# KiCad board oibus-mini-CCC_PANEL.kicad_pcb (continued)
## Routing (per net, layer and track width the routed paths; a pad name or vN(x,y) marks a point on that pad's centre or on a via; arc(x,y) is an arc through that point) (continued)
/~{SPI_ADS_CS}: length 977.8
  Top w0.2: v2(62.07,23.83) 62.07,23.73 61.1,22.76 61.1,17.11 59.66,15.67 H2#2.10 ; U8#2.25 60.95,39.26 62.02,38.19 v2(62.02,35.3) ; v2(99.07,23.83) 99.07,23.73 98.1,22.76 98.1,17.11 96.66,15.67 H2#3.10 ; U8#4.25 97.95,39.26 99.02,38.19 v2(99.02,35.3) ; v2(136.07,23.83) 136.07,23.73 135.1,22.76 135.1,17.11 133.66,15.67 H2#4.10 ; U8#3.25 134.95,39.26 136.02,38.19 v2(136.02,35.3) ; v2(173.07,23.83) 173.07,23.73 172.1,22.76 172.1,17.11 170.66,15.67 H2#6.10 ; U8#6.25 171.95,39.26 173.02,38.19 v2(173.02,35.3) ; v2(210.07,23.83) 210.07,23.73 209.1,22.76 209.1,17.11 207.66,15.67 H2#5.10 ; U8#5.25 208.95,39.26 210.02,38.19 v2(210.02,35.3) ; v2(247.07,23.83) 247.07,23.73 246.1,22.76 246.1,17.11 244.66,15.67 H2#7.10 ; U8#7.25 245.95,39.26 247.02,38.19 v2(247.02,35.3) ; v2(284.07,23.83) 284.07,23.73 283.1,22.76 283.1,17.11 281.66,15.67 H2#8.10 ; U8#8.25 282.95,39.26 284.02,38.19 v2(284.02,35.3) ; v2(25.07,89.83) 25.07,89.73 24.1,88.76 24.1,83.11 22.66,81.67 H2#9.10 ; U8#11.25 23.95,105.26 25.02,104.19 v2(25.02,101.3) ; v2(99.07,89.83) 99.07,89.73 98.1,88.76 98.1,83.11 96.66,81.67 H2#13.10 ; U8#13.25 97.95,105.26 99.02,104.19 v2(99.02,101.3) ; v2(62.07,89.83) 62.07,89.73 61.1,88.76 61.1,83.11 59.66,81.67 H2#12.10 ; U8#9.25 60.95,105.26 62.02,104.19 v2(62.02,101.3) ; v2(136.07,89.83) 136.07,89.73 135.1,88.76 135.1,83.11 133.66,81.67 H2#11.10 ; U8#10.25 134.95,105.26 136.02,104.19 v2(136.02,101.3) ; v2(173.07,89.83) 173.07,89.73 172.1,88.76 172.1,83.11 170.66,81.67 H2#10.10 ; U8#12.25 171.95,105.26 173.02,104.19 v2(173.02,101.3) ; v2(210.07,89.83) 210.07,89.73 209.1,88.76 209.1,83.11 207.66,81.67 H2#14.10 ; U8#14.25 208.95,105.26 210.02,104.19 v2(210.02,101.3) ; U8#16.25 282.95,105.26 284.02,104.19 v2(284.02,101.3) ; v2(284.07,89.83) 284.07,89.73 283.1,88.76 283.1,83.11 281.66,81.67 H2#16.10 ; v2(247.07,89.83) 247.07,89.73 246.1,88.76 246.1,83.11 244.66,81.67 H2#15.10 ; U8#15.25 245.95,105.26 247.02,104.19 v2(247.02,101.3) ; v2(25.07,221.83) 25.07,221.73 24.1,220.76 24.1,215.11 22.66,213.67 H2#23.10 ; U8#25.25 23.95,237.26 25.02,236.19 v2(25.02,233.3) ; v2(99.07,221.83) 99.07,221.73 98.1,220.76 98.1,215.11 96.66,213.67 H2#29.10 ; U8#29.25 97.95,237.26 99.02,236.19 v2(99.02,233.3) ; v2(62.07,221.83) 62.07,221.73 61.1,220.76 61.1,215.11 59.66,213.67 H2#28.10 ; U8#21.25 60.95,237.26 62.02,236.19 v2(62.02,233.3) ; v2(136.02,233.3) 136.02,236.19 134.95,237.26 U8#24.25 ; v2(136.07,221.83) 136.07,221.73 135.1,220.76 135.1,215.11 133.66,213.67 H2#27.10 ; v2(25.07,155.83) 25.07,155.73 24.1,154.76 24.1,149.11 22.66,147.67 H2#17.10 ; U8#19.25 23.95,171.26 25.02,170.19 v2(25.02,167.3) ; v2(99.07,155.83) 99.07,155.73 98.1,154.76 98.1,149.11 96.66,147.67 H2#21.10 ; U8#22.25 97.95,171.26 99.02,170.19 v2(99.02,167.3) ; v2(62.07,155.83) 62.07,155.73 61.1,154.76 61.1,149.11 59.66,147.67 H2#20.10 ; U8#17.25 60.95,171.26 62.02,170.19 v2(62.02,167.3) ; v2(136.07,155.83) 136.07,155.73 135.1,154.76 135.1,149.11 133.66,147.67 H2#19.10 ; U8#18.25 134.95,171.26 136.02,170.19 v2(136.02,167.3) ; v2(173.07,155.83) 173.07,155.73 172.1,154.76 172.1,149.11 170.66,147.67 H2#18.10 ; U8#20.25 171.95,171.26 173.02,170.19 v2(173.02,167.3) ; v2(210.07,155.83) 210.07,155.73 209.1,154.76 209.1,149.11 207.66,147.67 H2#22.10 ; U8#23.25 208.95,171.26 210.02,170.19 v2(210.02,167.3) ; U8#27.25 282.95,171.26 284.02,170.19 v2(284.02,167.3) ; v2(284.07,155.83) 284.07,155.73 283.1,154.76 283.1,149.11 281.66,147.67 H2#25.10 ; v2(247.07,155.83) 247.07,155.73 246.1,154.76 246.1,149.11 244.66,147.67 H2#24.10 ; U8#26.25 245.95,171.26 247.02,170.19 v2(247.02,167.3) ; v2(173.07,221.83) 173.07,221.73 172.1,220.76 172.1,215.11 170.66,213.67 H2#26.10 ; U8#28.25 171.95,237.26 173.02,236.19 v2(173.02,233.3) ; v2(210.07,221.83) 210.07,221.73 209.1,220.76 209.1,215.11 207.66,213.67 H2#30.10 ; U8#30.25 208.95,237.26 210.02,236.19 v2(210.02,233.3) ; v2(247.02,233.3) 247.02,236.19 245.95,237.26 U8#31.25 ; v2(247.07,221.83) 247.07,221.73 246.1,220.76 246.1,215.11 244.66,213.67 H2#31.10 ; v2(284.07,221.83) 284.07,221.73 283.1,220.76 283.1,215.11 281.66,213.67 H2#32.10 ; U8#32.25 282.95,237.26 284.02,236.19 v2(284.02,233.3) ; v2(25.02,35.3) 25.02,38.19 23.95,39.26 U8.25 ; v2(25.07,23.83) 25.07,23.73 24.1,22.76 24.1,17.11 22.66,15.67 H2.10
  Bottom w0.2: v2(62.07,23.83) 62.07,24.54 61,25.61 61,32.44 61.99,33.43 61.99,35.26 v2(62.02,35.3) 62.07,35.25 ; v2(99.07,23.83) 99.07,24.54 98,25.61 98,32.44 98.99,33.43 98.99,35.26 v2(99.02,35.3) 99.07,35.25 ; v2(136.07,23.83) 136.07,24.54 135,25.61 135,32.44 135.99,33.43 135.99,35.26 v2(136.02,35.3) 136.07,35.25 ; v2(173.07,23.83) 173.07,24.54 172,25.61 172,32.44 172.99,33.43 172.99,35.26 v2(173.02,35.3) 173.07,35.25 ; v2(210.07,23.83) 210.07,24.54 209,25.61 209,32.44 209.99,33.43 209.99,35.26 v2(210.02,35.3) 210.07,35.25 ; v2(247.07,23.83) 247.07,24.54 246,25.61 246,32.44 246.99,33.43 246.99,35.26 v2(247.02,35.3) 247.07,35.25 ; v2(284.07,23.83) 284.07,24.54 283,25.61 283,32.44 283.99,33.43 283.99,35.26 v2(284.02,35.3) 284.07,35.25 ; v2(25.07,89.83) 25.07,90.54 24,91.61 24,98.44 24.99,99.43 24.99,101.26 v2(25.02,101.3) 25.07,101.25 ; v2(99.07,89.83) 99.07,90.54 98,91.61 98,98.44 98.99,99.43 98.99,101.26 v2(99.02,101.3) 99.07,101.25 ; v2(62.07,89.83) 62.07,90.54 61,91.61 61,98.44 61.99,99.43 61.99,101.26 v2(62.02,101.3) 62.07,101.25 ; v2(136.07,89.83) 136.07,90.54 135,91.61 135,98.44 135.99,99.43 135.99,101.26 v2(136.02,101.3) 136.07,101.25 ; v2(173.07,89.83) 173.07,90.54 172,91.61 172,98.44 172.99,99.43 172.99,101.26 v2(173.02,101.3) 173.07,101.25 ; v2(210.07,89.83) 210.07,90.54 209,91.61 209,98.44 209.99,99.43 209.99,101.26 v2(210.02,101.3) 210.07,101.25 ; v2(284.07,89.83) 284.07,90.54 283,91.61 283,98.44 283.99,99.43 283.99,101.26 v2(284.02,101.3) 284.07,101.25 ; v2(247.07,89.83) 247.07,90.54 246,91.61 246,98.44 246.99,99.43 246.99,101.26 v2(247.02,101.3) 247.07,101.25 ; v2(25.07,221.83) 25.07,222.54 24,223.61 24,230.44 24.99,231.43 24.99,233.26 v2(25.02,233.3) 25.07,233.25 ; v2(99.07,221.83) 99.07,222.54 98,223.61 98,230.44 98.99,231.43 98.99,233.26 v2(99.02,233.3) 99.07,233.25 ; v2(62.07,221.83) 62.07,222.54 61,223.61 61,230.44 61.99,231.43 61.99,233.26 v2(62.02,233.3) 62.07,233.25 ; v2(136.07,221.83) 136.07,222.54 135,223.61 135,230.44 135.99,231.43 135.99,233.26 v2(136.02,233.3) 136.07,233.25 ; v2(25.07,155.83) 25.07,156.54 24,157.61 24,164.44 24.99,165.43 24.99,167.26 v2(25.02,167.3) 25.07,167.25 ; v2(99.07,155.83) 99.07,156.54 98,157.61 98,164.44 98.99,165.43 98.99,167.26 v2(99.02,167.3) 99.07,167.25 ; v2(62.07,155.83) 62.07,156.54 61,157.61 61,164.44 61.99,165.43 61.99,167.26 v2(62.02,167.3) 62.07,167.25 ; v2(136.07,155.83) 136.07,156.54 135,157.61 135,164.44 135.99,165.43 135.99,167.26 v2(136.02,167.3) 136.07,167.25 ; v2(173.07,155.83) 173.07,156.54 172,157.61 172,164.44 172.99,165.43 172.99,167.26 v2(173.02,167.3) 173.07,167.25 ; v2(210.07,155.83) 210.07,156.54 209,157.61 209,164.44 209.99,165.43 209.99,167.26 v2(210.02,167.3) 210.07,167.25 ; v2(284.07,155.83) 284.07,156.54 283,157.61 283,164.44 283.99,165.43 283.99,167.26 v2(284.02,167.3) 284.07,167.25 ; v2(247.07,155.83) 247.07,156.54 246,157.61 246,164.44 246.99,165.43 246.99,167.26 v2(247.02,167.3) 247.07,167.25 ; v2(173.07,221.83) 173.07,222.54 172,223.61 172,230.44 172.99,231.43 172.99,233.26 v2(173.02,233.3) 173.07,233.25 ; v2(210.07,221.83) 210.07,222.54 209,223.61 209,230.44 209.99,231.43 209.99,233.26 v2(210.02,233.3) 210.07,233.25 ; v2(247.07,221.83) 247.07,222.54 246,223.61 246,230.44 246.99,231.43 246.99,233.26 v2(247.02,233.3) 247.07,233.25 ; v2(284.07,221.83) 284.07,222.54 283,223.61 283,230.44 283.99,231.43 283.99,233.26 v2(284.02,233.3) 284.07,233.25 ; 25.07,35.25 v2(25.02,35.3) 24.99,35.26 24.99,33.43 24,32.44 24,25.61 25.07,24.54 v2(25.07,23.83)
GPS_RX: length 869.5
  Top w0.2: v2(56.26,43.14) 56.92,43.14 57.09,43.31 61.3,43.31 61.89,42.72 U8#2.21 ; v2(54.63,42.9) 54.54,42.81 54.01,42.81 53.68,42.48 53.68,41.89 53.9,41.68 53.9,37.41 ; 53.9,37.41 53.9,36.85 ; 53.9,37.41 53.9,36.71 47.6,30.41 46.61,30.41 FB1#2.1 ; v2(93.26,43.14) 93.92,43.14 94.09,43.31 98.3,43.31 98.89,42.72 U8#4.21 ; v2(91.63,42.9) 91.54,42.81 91.01,42.81 90.68,42.48 90.68,41.89 90.9,41.68 90.9,37.41 ; 90.9,37.41 90.9,36.85 ; 90.9,37.41 90.9,36.71 84.6,30.41 83.61,30.41 FB1#3.1 ; FB1#4.1 120.61,30.41 121.6,30.41 127.9,36.71 127.9,37.41 ; v2(130.26,43.14) 130.92,43.14 131.09,43.31 135.3,43.31 135.89,42.72 U8#3.21 ; v2(128.63,42.9) 128.54,42.81 128.01,42.81 127.68,42.48 127.68,41.89 127.9,41.68 127.9,37.41 ; 127.9,37.41 127.9,36.85 ; v2(167.26,43.14) 167.92,43.14 168.09,43.31 172.3,43.31 172.89,42.72 U8#6.21 ; v2(165.63,42.9) 165.54,42.81 165.01,42.81 164.68,42.48 164.68,41.89 164.9,41.68 164.9,37.41 ; 164.9,37.41 164.9,36.85 ; 164.9,37.41 164.9,36.71 158.6,30.41 157.61,30.41 FB1#6.1 ; FB1#5.1 194.61,30.41 195.6,30.41 201.9,36.71 201.9,37.41 ; v2(204.26,43.14) 204.92,43.14 205.09,43.31 209.3,43.31 209.89,42.72 U8#5.21 ; v2(202.63,42.9) 202.54,42.81 202.01,42.81 201.68,42.48 201.68,41.89 201.9,41.68 201.9,37.41 ; 201.9,37.41 201.9,36.85 ; v2(241.26,43.14) 241.92,43.14 242.09,43.31 246.3,43.31 246.89,42.72 U8#7.21 ; v2(239.63,42.9) 239.54,42.81 239.01,42.81 238.68,42.48 238.68,41.89 238.9,41.68 238.9,37.41 ; 238.9,37.41 238.9,36.85 ; 238.9,37.41 238.9,36.71 232.6,30.41 231.61,30.41 FB1#7.1 ; FB1#8.1 268.61,30.41 269.6,30.41 275.9,36.71 275.9,37.41 ; v2(278.26,43.14) 278.92,43.14 279.09,43.31 283.3,43.31 283.89,42.72 U8#8.21 ; v2(276.63,42.9) 276.54,42.81 276.01,42.81 275.68,42.48 275.68,41.89 275.9,41.68 275.9,37.41 ; 275.9,37.41 275.9,36.85 ; v2(19.26,109.14) 19.92,109.14 20.09,109.31 24.3,109.31 24.89,108.72 U8#11.21 ; v2(17.63,108.9) 17.54,108.81 17.01,108.81 16.68,108.48 16.68,107.89 16.9,107.68 16.9,103.41 ; 16.9,103.41 16.9,102.85 ; 16.9,103.41 16.9,102.71 10.6,96.41 9.61,96.41 FB1#9.1 ; v2(93.26,109.14) 93.92,109.14 94.09,109.31 98.3,109.31 98.89,108.72 U8#13.21 ; v2(91.63,108.9) 91.54,108.81 91.01,108.81 90.68,108.48 90.68,107.89 90.9,107.68 90.9,103.41 ; 90.9,103.41 90.9,102.85 ; 90.9,103.41 90.9,102.71 84.6,96.41 83.61,96.41 FB1#12.1 ; FB1#13.1 46.61,96.41 47.6,96.41 53.9,102.71 53.9,103.41 ; v2(56.26,109.14) 56.92,109.14 57.09,109.31 61.3,109.31 61.89,108.72 U8#9.21 ; v2(54.63,108.9) 54.54,108.81 54.01,108.81 53.68,108.48 53.68,107.89 53.9,107.68 53.9,103.41 ; 53.9,103.41 53.9,102.85 ; FB1#11.1 120.61,96.41 121.6,96.41 127.9,102.71 127.9,103.41 ; v2(130.26,109.14) 130.92,109.14 131.09,109.31 135.3,109.31 135.89,108.72 U8#10.21 ; v2(128.63,108.9) 128.54,108.81 128.01,108.81 127.68,108.48 127.68,107.89 127.9,107.68 127.9,103.41 ; 127.9,103.41 127.9,102.85 ; v2(167.26,109.14) 167.92,109.14 168.09,109.31 172.3,109.31 172.89,108.72 U8#12.21 ; v2(165.63,108.9) 165.54,108.81 165.01,108.81 164.68,108.48 164.68,107.89 164.9,107.68 164.9,103.41 ; 164.9,103.41 164.9,102.85 ; 164.9,103.41 164.9,102.71 158.6,96.41 157.61,96.41 FB1#10.1 ; FB1#14.1 194.61,96.41 195.6,96.41 201.9,102.71 201.9,103.41 ; v2(204.26,109.14) 204.92,109.14 205.09,109.31 209.3,109.31 209.89,108.72 U8#14.21 ; v2(202.63,108.9) 202.54,108.81 202.01,108.81 201.68,108.48 201.68,107.89 201.9,107.68 201.9,103.41 ; 201.9,103.41 201.9,102.85 ; v2(241.26,109.14) 241.92,109.14 242.09,109.31 246.3,109.31 246.89,108.72 U8#15.21 ; v2(239.63,108.9) 239.54,108.81 239.01,108.81 238.68,108.48 238.68,107.89 238.9,107.68 238.9,103.41 ; 238.9,103.41 238.9,102.85 ; 238.9,103.41 238.9,102.71 232.6,96.41 231.61,96.41 FB1#15.1 ; FB1#16.1 268.61,96.41 269.6,96.41 275.9,102.71 275.9,103.41 ; v2(278.26,109.14) 278.92,109.14 279.09,109.31 283.3,109.31 283.89,108.72 U8#16.21 ; v2(276.63,108.9) 276.54,108.81 276.01,108.81 275.68,108.48 275.68,107.89 275.9,107.68 275.9,103.41 ; 275.9,103.41 275.9,102.85 ; U8#25.21 24.89,240.72 24.3,241.31 20.09,241.31 19.92,241.14 v2(19.26,241.14) ; v2(17.63,240.9) 17.54,240.81 17.01,240.81 16.68,240.48 16.68,239.89 16.9,239.68 16.9,235.41 ; 16.9,235.41 16.9,234.85 ; 16.9,235.41 16.9,234.71 10.6,228.41 9.61,228.41 FB1#24.1 ; v2(93.26,241.14) 93.92,241.14 94.09,241.31 98.3,241.31 98.89,240.72 U8#29.21 ; v2(91.63,240.9) 91.54,240.81 91.01,240.81 90.68,240.48 90.68,239.89 90.9,239.68 90.9,235.41 ; 90.9,235.41 90.9,234.85 ; 90.9,235.41 90.9,234.71 84.6,228.41 83.61,228.41 FB1#28.1 ; FB1#29.1 46.61,228.41 47.6,228.41 53.9,234.71 53.9,235.41 ; FB1#27.1 120.61,228.41 121.6,228.41 127.9,234.71 127.9,235.41 ; v2(56.26,241.14) 56.92,241.14 57.09,241.31 61.3,241.31 61.89,240.72 U8#21.21 ; v2(54.63,240.9) 54.54,240.81 54.01,240.81 53.68,240.48 53.68,239.89 53.9,239.68 53.9,235.41 ; 53.9,235.41 53.9,234.85 ; v2(167.26,241.14) 167.92,241.14 168.09,241.31 172.3,241.31 172.89,240.72 U8#28.21 ; v2(165.63,240.9) 165.54,240.81 165.01,240.81 164.68,240.48 164.68,239.89 164.9,239.68 164.9,235.41 ; 164.9,235.41 164.9,234.85 ; 164.9,235.41 164.9,234.71 158.6,228.41 157.61,228.41 FB1#26.1 ; v2(130.26,241.14) 130.92,241.14 131.09,241.31 135.3,241.31 135.89,240.72 U8#24.21 ; v2(128.63,240.9) 128.54,240.81 128.01,240.81 127.68,240.48 127.68,239.89 127.9,239.68 127.9,235.41 ; 127.9,235.41 127.9,234.85 ; v2(19.26,175.14) 19.92,175.14 20.09,175.31 24.3,175.31 24.89,174.72 U8#19.21 ; v2(17.63,174.9) 17.54,174.81 17.01,174.81 16.68,174.48 16.68,173.89 16.9,173.68 16.9,169.41 ; 16.9,169.41 16.9,168.85 ; 16.9,169.41 16.9,168.71 10.6,162.41 9.61,162.41 FB1#17.1 ; v2(93.26,175.14) 93.92,175.14 94.09,175.31 98.3,175.31 98.89,174.72 U8#22.21 ; v2(91.63,174.9) 91.54,174.81 91.01,174.81 90.68,174.48 90.68,173.89 90.9,173.68 90.9,169.41 ; 90.9,169.41 90.9,168.85 ; 90.9,169.41 90.9,168.71 84.6,162.41 83.61,162.41 FB1#20.1 ; FB1#21.1 46.61,162.41 47.6,162.41 53.9,168.71 53.9,169.41 ; v2(56.26,175.14) 56.92,175.14 57.09,175.31 61.3,175.31 61.89,174.72 U8#17.21 ; v2(54.63,174.9) 54.54,174.81 54.01,174.81 53.68,174.48 53.68,173.89 53.9,173.68 53.9,169.41 ; 53.9,169.41 53.9,168.85 ; FB1#19.1 120.61,162.41 121.6,162.41 127.9,168.71 127.9,169.41 ; v2(130.26,175.14) 130.92,175.14 131.09,175.31 135.3,175.31 135.89,174.72 U8#18.21 ; v2(128.63,174.9) 128.54,174.81 128.01,174.81 127.68,174.48 127.68,173.89 127.9,173.68 127.9,169.41 ; 127.9,169.41 127.9,168.85 ; v2(167.26,175.14) 167.92,175.14 168.09,175.31 172.3,175.31 172.89,174.72 U8#20.21 ; v2(165.63,174.9) 165.54,174.81 165.01,174.81 164.68,174.48 164.68,173.89 164.9,173.68 164.9,169.41 ; 164.9,169.41 164.9,168.85 ; 164.9,169.41 164.9,168.71 158.6,162.41 157.61,162.41 FB1#18.1 ; FB1#22.1 194.61,162.41 195.6,162.41 201.9,168.71 201.9,169.41 ; v2(204.26,175.14) 204.92,175.14 205.09,175.31 209.3,175.31 209.89,174.72 U8#23.21 ; v2(202.63,174.9) 202.54,174.81 202.01,174.81 201.68,174.48 201.68,173.89 201.9,173.68 201.9,169.41 ; 201.9,169.41 201.9,168.85 ; v2(241.26,175.14) 241.92,175.14 242.09,175.31 246.3,175.31 246.89,174.72 U8#26.21 ; v2(239.63,174.9) 239.54,174.81 239.01,174.81 238.68,174.48 238.68,173.89 238.9,173.68 238.9,169.41 ; 238.9,169.41 238.9,168.85 ; 238.9,169.41 238.9,168.71 232.6,162.41 231.61,162.41 FB1#23.1 ; FB1#25.1 268.61,162.41 269.6,162.41 275.9,168.71 275.9,169.41 ; v2(278.26,175.14) 278.92,175.14 279.09,175.31 283.3,175.31 283.89,174.72 U8#27.21 ; v2(276.63,174.9) 276.54,174.81 276.01,174.81 275.68,174.48 275.68,173.89 275.9,173.68 275.9,169.41 ; 275.9,169.41 275.9,168.85 ; FB1#30.1 194.61,228.41 195.6,228.41 201.9,234.71 201.9,235.41 ; v2(204.26,241.14) 204.92,241.14 205.09,241.31 209.3,241.31 209.89,240.72 U8#30.21 ; v2(202.63,240.9) 202.54,240.81 202.01,240.81 201.68,240.48 201.68,239.89 201.9,239.68 201.9,235.41 ; 201.9,235.41 201.9,234.85 ; v2(241.26,241.14) 241.92,241.14 242.09,241.31 246.3,241.31 246.89,240.72 U8#31.21 ; v2(239.63,240.9) 239.54,240.81 239.01,240.81 238.68,240.48 238.68,239.89 238.9,239.68 238.9,235.41 ; 238.9,235.41 238.9,234.85 ; 238.9,235.41 238.9,234.71 232.6,228.41 231.61,228.41 FB1#31.1 ; FB1#32.1 268.61,228.41 269.6,228.41 275.9,234.71 275.9,235.41 ; v2(278.26,241.14) 278.92,241.14 279.09,241.31 283.3,241.31 283.89,240.72 U8#32.21 ; v2(276.63,240.9) 276.54,240.81 276.01,240.81 275.68,240.48 275.68,239.89 275.9,239.68 275.9,235.41 ; 275.9,235.41 275.9,234.85 ; FB1.1 9.61,30.41 10.6,30.41 16.9,36.71 16.9,37.41 ; v2(17.63,42.9) 17.54,42.81 17.01,42.81 16.68,42.48 16.68,41.89 16.9,41.68 16.9,37.41 ; U8.21 24.89,42.72 24.3,43.31 20.09,43.31 19.92,43.14 v2(19.26,43.14) ; 16.9,37.41 16.9,36.85
  Bottom w0.2: v2(54.63,42.9) 54.87,43.14 v2(56.26,43.14) ; v2(91.63,42.9) 91.87,43.14 v2(93.26,43.14) ; v2(128.63,42.9) 128.87,43.14 v2(130.26,43.14) ; v2(165.63,42.9) 165.87,43.14 v2(167.26,43.14) ; v2(202.63,42.9) 202.87,43.14 v2(204.26,43.14) ; v2(239.63,42.9) 239.87,43.14 v2(241.26,43.14) ; v2(276.63,42.9) 276.87,43.14 v2(278.26,43.14) ; v2(17.63,108.9) 17.87,109.14 v2(19.26,109.14) ; v2(91.63,108.9) 91.87,109.14 v2(93.26,109.14) ; v2(54.63,108.9) 54.87,109.14 v2(56.26,109.14) ; v2(128.63,108.9) 128.87,109.14 v2(130.26,109.14) ; v2(165.63,108.9) 165.87,109.14 v2(167.26,109.14) ; v2(202.63,108.9) 202.87,109.14 v2(204.26,109.14) ; v2(239.63,108.9) 239.87,109.14 v2(241.26,109.14) ; v2(276.63,108.9) 276.87,109.14 v2(278.26,109.14) ; v2(17.63,240.9) 17.87,241.14 v2(19.26,241.14) ; v2(91.63,240.9) 91.87,241.14 v2(93.26,241.14) ; v2(54.63,240.9) 54.87,241.14 v2(56.26,241.14) ; v2(165.63,240.9) 165.87,241.14 v2(167.26,241.14) ; v2(128.63,240.9) 128.87,241.14 v2(130.26,241.14) ; v2(17.63,174.9) 17.87,175.14 v2(19.26,175.14) ; v2(91.63,174.9) 91.87,175.14 v2(93.26,175.14) ; v2(54.63,174.9) 54.87,175.14 v2(56.26,175.14) ; v2(128.63,174.9) 128.87,175.14 v2(130.26,175.14) ; v2(165.63,174.9) 165.87,175.14 v2(167.26,175.14) ; v2(202.63,174.9) 202.87,175.14 v2(204.26,175.14) ; v2(239.63,174.9) 239.87,175.14 v2(241.26,175.14) ; v2(276.63,174.9) 276.87,175.14 v2(278.26,175.14) ; v2(202.63,240.9) 202.87,241.14 v2(204.26,241.14) ; v2(239.63,240.9) 239.87,241.14 v2(241.26,241.14) ; v2(276.63,240.9) 276.87,241.14 v2(278.26,241.14) ; v2(19.26,43.14) 17.87,43.14 v2(17.63,42.9)
GPS_TX: length 892.4
  Top w0.2: FB2#2.1 45.53,29.68 47.46,29.68 48.39,30.61 ; 48.39,30.61 54.3,36.52 54.3,42.17 v2(54.28,42.18) 54.3,42.16 ; 48.39,30.61 48.29,30.51 ; U8#2.22 61.39,42.52 61,42.91 57.25,42.91 56.69,42.35 56.66,42.35 56.65,42.34 v2(56.22,42.34) ; FB2#3.1 82.53,29.68 84.46,29.68 85.39,30.61 ; 85.39,30.61 91.3,36.52 91.3,42.17 v2(91.28,42.18) 91.3,42.16 ; 85.39,30.61 85.29,30.51 ; U8#4.22 98.39,42.52 98,42.91 94.25,42.91 93.69,42.35 93.66,42.35 93.65,42.34 v2(93.22,42.34) ; 128.3,42.16 v2(128.28,42.18) 128.3,42.17 128.3,36.52 122.39,30.61 ; U8#3.22 135.39,42.52 135,42.91 131.25,42.91 130.69,42.35 130.66,42.35 130.65,42.34 v2(130.22,42.34) ; FB2#4.1 119.53,29.68 121.46,29.68 122.39,30.61 ; 122.39,30.61 122.29,30.51 ; 165.3,42.16 v2(165.28,42.18) 165.3,42.17 165.3,36.52 159.39,30.61 ; U8#6.22 172.39,42.52 172,42.91 168.25,42.91 167.69,42.35 167.66,42.35 167.65,42.34 v2(167.22,42.34) ; FB2#6.1 156.53,29.68 158.46,29.68 159.39,30.61 ; 159.39,30.61 159.29,30.51 ; 202.3,42.16 v2(202.28,42.18) 202.3,42.17 202.3,36.52 196.39,30.61 ; U8#5.22 209.39,42.52 209,42.91 205.25,42.91 204.69,42.35 204.66,42.35 204.65,42.34 v2(204.22,42.34) ; FB2#5.1 193.53,29.68 195.46,29.68 196.39,30.61 ; 196.39,30.61 196.29,30.51 ; 239.3,42.16 v2(239.28,42.18) 239.3,42.17 239.3,36.52 233.39,30.61 ; U8#7.22 246.39,42.52 246,42.91 242.25,42.91 241.69,42.35 241.66,42.35 241.65,42.34 v2(241.22,42.34) ; 276.3,42.16 v2(276.28,42.18) 276.3,42.17 276.3,36.52 270.39,30.61 ; U8#8.22 283.39,42.52 283,42.91 279.25,42.91 278.69,42.35 278.66,42.35 278.65,42.34 v2(278.22,42.34) ; FB2#8.1 230.53,29.68 232.46,29.68 233.39,30.61 ; 233.39,30.61 233.29,30.51 ; FB2#7.1 267.53,29.68 269.46,29.68 270.39,30.61 ; 270.39,30.61 270.29,30.51 ; FB2#9.1 8.53,95.68 10.46,95.68 11.39,96.61 ; 11.39,96.61 17.3,102.52 17.3,108.17 v2(17.28,108.18) 17.3,108.16 ; 11.39,96.61 11.29,96.51 ; U8#11.22 24.39,108.52 24,108.91 20.25,108.91 19.69,108.35 19.66,108.35 19.65,108.34 v2(19.22,108.34) ; 91.3,108.16 v2(91.28,108.18) 91.3,108.17 91.3,102.52 85.39,96.61 ; U8#13.22 98.39,108.52 98,108.91 94.25,108.91 93.69,108.35 93.66,108.35 93.65,108.34 v2(93.22,108.34) ; FB2#11.1 82.53,95.68 84.46,95.68 85.39,96.61 ; 85.39,96.61 85.29,96.51 ; 54.3,108.16 v2(54.28,108.18) 54.3,108.17 54.3,102.52 48.39,96.61 ; U8#9.22 61.39,108.52 61,108.91 57.25,108.91 56.69,108.35 56.66,108.35 56.65,108.34 v2(56.22,108.34) ; FB2#12.1 45.53,95.68 47.46,95.68 48.39,96.61 ; 48.39,96.61 48.29,96.51 ; 128.3,108.16 v2(128.28,108.18) 128.3,108.17 128.3,102.52 122.39,96.61 ; U8#10.22 135.39,108.52 135,108.91 131.25,108.91 130.69,108.35 130.66,108.35 130.65,108.34 v2(130.22,108.34) ; FB2#10.1 119.53,95.68 121.46,95.68 122.39,96.61 ; 122.39,96.61 122.29,96.51 ; 165.3,108.16 v2(165.28,108.18) 165.3,108.17 165.3,102.52 159.39,96.61 ; U8#12.22 172.39,108.52 172,108.91 168.25,108.91 167.69,108.35 167.66,108.35 167.65,108.34 v2(167.22,108.34) ; 202.3,108.16 v2(202.28,108.18) 202.3,108.17 202.3,102.52 196.39,96.61 ; U8#14.22 209.39,108.52 209,108.91 205.25,108.91 204.69,108.35 204.66,108.35 204.65,108.34 v2(204.22,108.34) ; FB2#14.1 156.53,95.68 158.46,95.68 159.39,96.61 ; 159.39,96.61 159.29,96.51 ; FB2#13.1 193.53,95.68 195.46,95.68 196.39,96.61 ; 196.39,96.61 196.29,96.51 ; 239.3,108.16 v2(239.28,108.18) 239.3,108.17 239.3,102.52 233.39,96.61 ; U8#15.22 246.39,108.52 246,108.91 242.25,108.91 241.69,108.35 241.66,108.35 241.65,108.34 v2(241.22,108.34) ; 276.3,108.16 v2(276.28,108.18) 276.3,108.17 276.3,102.52 270.39,96.61 ; U8#16.22 283.39,108.52 283,108.91 279.25,108.91 278.69,108.35 278.66,108.35 278.65,108.34 v2(278.22,108.34) ; FB2#15.1 267.53,95.68 269.46,95.68 270.39,96.61 ; 270.39,96.61 270.29,96.51 ; FB2#16.1 230.53,95.68 232.46,95.68 233.39,96.61 ; 233.39,96.61 233.29,96.51 ; 17.3,240.16 v2(17.28,240.18) 17.3,240.17 17.3,234.52 11.39,228.61 ; U8#25.22 24.39,240.52 24,240.91 20.25,240.91 19.69,240.35 19.66,240.35 19.65,240.34 v2(19.22,240.34) ; FB2#23.1 8.53,227.68 10.46,227.68 11.39,228.61 ; 11.39,228.61 11.29,228.51 ; 91.3,240.16 v2(91.28,240.18) 91.3,240.17 91.3,234.52 85.39,228.61 ; U8#29.22 98.39,240.52 98,240.91 94.25,240.91 93.69,240.35 93.66,240.35 93.65,240.34 v2(93.22,240.34) ; 54.3,240.16 v2(54.28,240.18) 54.3,240.17 54.3,234.52 48.39,228.61 ; U8#21.22 61.39,240.52 61,240.91 57.25,240.91 56.69,240.35 56.66,240.35 56.65,240.34 v2(56.22,240.34) ; FB2#27.1 82.53,227.68 84.46,227.68 85.39,228.61 ; 85.39,228.61 85.29,228.51 ; 128.3,240.16 v2(128.28,240.18) 128.3,240.17 128.3,234.52 122.39,228.61 ; U8#24.22 135.39,240.52 135,240.91 131.25,240.91 130.69,240.35 130.66,240.35 130.65,240.34 v2(130.22,240.34) ; FB2#28.1 45.53,227.68 47.46,227.68 48.39,228.61 ; 48.39,228.61 48.29,228.51 ; v2(167.22,240.34) 167.65,240.34 167.66,240.35 167.69,240.35 168.25,240.91 172,240.91 172.39,240.52 U8#28.22 ; 165.3,240.16 v2(165.28,240.18) 165.3,240.17 165.3,234.52 159.39,228.61 ; FB2#26.1 119.53,227.68 121.46,227.68 122.39,228.61 ; 122.39,228.61 122.29,228.51 ; FB2#17.1 8.53,161.68 10.46,161.68 11.39,162.61 ; 11.39,162.61 17.3,168.52 17.3,174.17 v2(17.28,174.18) 17.3,174.16 ; 11.39,162.61 11.29,162.51 ; U8#19.22 24.39,174.52 24,174.91 20.25,174.91 19.69,174.35 19.66,174.35 19.65,174.34 v2(19.22,174.34) ; 91.3,174.16 v2(91.28,174.18) 91.3,174.17 91.3,168.52 85.39,162.61 ; U8#22.22 98.39,174.52 98,174.91 94.25,174.91 93.69,174.35 93.66,174.35 93.65,174.34 v2(93.22,174.34) ; FB2#19.1 82.53,161.68 84.46,161.68 85.39,162.61 ; 85.39,162.61 85.29,162.51 ; 54.3,174.16 v2(54.28,174.18) 54.3,174.17 54.3,168.52 48.39,162.61 ; U8#17.22 61.39,174.52 61,174.91 57.25,174.91 56.69,174.35 56.66,174.35 56.65,174.34 v2(56.22,174.34) ; FB2#20.1 45.53,161.68 47.46,161.68 48.39,162.61 ; 48.39,162.61 48.29,162.51 ; 128.3,174.16 v2(128.28,174.18) 128.3,174.17 128.3,168.52 122.39,162.61 ; U8#18.22 135.39,174.52 135,174.91 131.25,174.91 130.69,174.35 130.66,174.35 130.65,174.34 v2(130.22,174.34) ; FB2#18.1 119.53,161.68 121.46,161.68 122.39,162.61 ; 122.39,162.61 122.29,162.51 ; 165.3,174.16 v2(165.28,174.18) 165.3,174.17 165.3,168.52 159.39,162.61 ; U8#20.22 172.39,174.52 172,174.91 168.25,174.91 167.69,174.35 167.66,174.35 167.65,174.34 v2(167.22,174.34) ; 202.3,174.16 v2(202.28,174.18) 202.3,174.17 202.3,168.52 196.39,162.61 ; U8#23.22 209.39,174.52 209,174.91 205.25,174.91 204.69,174.35 204.66,174.35 204.65,174.34 v2(204.22,174.34) ; FB2#22.1 156.53,161.68 158.46,161.68 159.39,162.61 ; 159.39,162.61 159.29,162.51 ; FB2#21.1 193.53,161.68 195.46,161.68 196.39,162.61 ; 196.39,162.61 196.29,162.51 ; 239.3,174.16 v2(239.28,174.18) 239.3,174.17 239.3,168.52 233.39,162.61 ; U8#26.22 246.39,174.52 246,174.91 242.25,174.91 241.69,174.35 241.66,174.35 241.65,174.34 v2(241.22,174.34) ; 276.3,174.16 v2(276.28,174.18) 276.3,174.17 276.3,168.52 270.39,162.61 ; U8#27.22 283.39,174.52 283,174.91 279.25,174.91 278.69,174.35 278.66,174.35 278.65,174.34 v2(278.22,174.34) ; FB2#24.1 267.53,161.68 269.46,161.68 270.39,162.61 ; 270.39,162.61 270.29,162.51 ; FB2#25.1 230.53,161.68 232.46,161.68 233.39,162.61 ; 233.39,162.61 233.29,162.51 ; FB2#30.1 156.53,227.68 158.46,227.68 159.39,228.61 ; 159.39,228.61 159.29,228.51 ; 202.3,240.16 v2(202.28,240.18) 202.3,240.17 202.3,234.52 196.39,228.61 ; U8#30.22 209.39,240.52 209,240.91 205.25,240.91 204.69,240.35 204.66,240.35 204.65,240.34 v2(204.22,240.34) ; FB2#29.1 193.53,227.68 195.46,227.68 196.39,228.61 ; 196.39,228.61 196.29,228.51 ; 239.3,240.16 v2(239.28,240.18) 239.3,240.17 239.3,234.52 233.39,228.61 ; U8#31.22 246.39,240.52 246,240.91 242.25,240.91 241.69,240.35 241.66,240.35 241.65,240.34 v2(241.22,240.34) ; 276.3,240.16 v2(276.28,240.18) 276.3,240.17 276.3,234.52 270.39,228.61 ; U8#32.22 283.39,240.52 283,240.91 279.25,240.91 278.69,240.35 278.66,240.35 278.65,240.34 v2(278.22,240.34) ; FB2#32.1 230.53,227.68 232.46,227.68 233.39,228.61 ; 233.39,228.61 233.29,228.51 ; FB2#31.1 267.53,227.68 269.46,227.68 270.39,228.61 ; 270.39,228.61 270.29,228.51 ; 11.39,30.61 17.3,36.52 17.3,42.17 v2(17.28,42.18) 17.3,42.16 ; 11.39,30.61 11.29,30.51 ; 11.39,30.61 10.46,29.68 8.53,29.68 FB2.1 ; U8.22 24.39,42.52 24,42.91 20.25,42.91 19.69,42.35 19.66,42.35 19.65,42.34 v2(19.22,42.34)
  Bottom w0.2: v2(54.28,42.18) 56.07,42.18 v2(56.22,42.34) ; v2(91.28,42.18) 93.07,42.18 v2(93.22,42.34) ; v2(128.28,42.18) 130.07,42.18 v2(130.22,42.34) ; v2(165.28,42.18) 167.07,42.18 v2(167.22,42.34) ; v2(202.28,42.18) 204.07,42.18 v2(204.22,42.34) ; v2(239.28,42.18) 241.07,42.18 v2(241.22,42.34) ; v2(276.28,42.18) 278.07,42.18 v2(278.22,42.34) ; v2(17.28,108.18) 19.07,108.18 v2(19.22,108.34) ; v2(91.28,108.18) 93.07,108.18 v2(93.22,108.34) ; v2(54.28,108.18) 56.07,108.18 v2(56.22,108.34) ; v2(128.28,108.18) 130.07,108.18 v2(130.22,108.34) ; v2(165.28,108.18) 167.07,108.18 v2(167.22,108.34) ; v2(202.28,108.18) 204.07,108.18 v2(204.22,108.34) ; v2(239.28,108.18) 241.07,108.18 v2(241.22,108.34) ; v2(276.28,108.18) 278.07,108.18 v2(278.22,108.34) ; v2(17.28,240.18) 19.07,240.18 v2(19.22,240.34) ; v2(91.28,240.18) 93.07,240.18 v2(93.22,240.34) ; v2(54.28,240.18) 56.07,240.18 v2(56.22,240.34) ; v2(128.28,240.18) 130.07,240.18 v2(130.22,240.34) ; v2(167.22,240.34) 167.07,240.18 v2(165.28,240.18) ; v2(17.28,174.18) 19.07,174.18 v2(19.22,174.34) ; v2(91.28,174.18) 93.07,174.18 v2(93.22,174.34) ; v2(54.28,174.18) 56.07,174.18 v2(56.22,174.34) ; v2(128.28,174.18) 130.07,174.18 v2(130.22,174.34) ; v2(165.28,174.18) 167.07,174.18 v2(167.22,174.34) ; v2(202.28,174.18) 204.07,174.18 v2(204.22,174.34) ; v2(239.28,174.18) 241.07,174.18 v2(241.22,174.34) ; v2(276.28,174.18) 278.07,174.18 v2(278.22,174.34) ; v2(202.28,240.18) 204.07,240.18 v2(204.22,240.34) ; v2(239.28,240.18) 241.07,240.18 v2(241.22,240.34) ; v2(276.28,240.18) 278.07,240.18 v2(278.22,240.34) ; v2(17.28,42.18) 19.07,42.18 v2(19.22,42.34)
NINA_CTS: length 829.6
  Top w0.2: U8#2.11 68.07,38.76 68.34,39.03 68.34,41.51 67.97,41.87 67.97,46.98 67.45,47.51 60.3,47.51 v2(59.8,48.01) ; U3#2.21 60.41,54.01 58.6,52.2 58.6,50.78 58.17,50.35 v2(58.17,49.64) ; U8#4.11 105.07,38.76 105.34,39.03 105.34,41.51 104.97,41.87 104.97,46.98 104.45,47.51 97.3,47.51 v2(96.8,48.01) ; U3#3.21 97.41,54.01 95.6,52.2 95.6,50.78 95.17,50.35 v2(95.17,49.64) ; U8#3.11 142.07,38.76 142.34,39.03 142.34,41.51 141.97,41.87 141.97,46.98 141.45,47.51 134.3,47.51 v2(133.8,48.01) ; U3#4.21 134.41,54.01 132.6,52.2 132.6,50.78 132.17,50.35 v2(132.17,49.64) ; U8#5.11 216.07,38.76 216.34,39.03 216.34,41.51 215.97,41.87 215.97,46.98 215.45,47.51 208.3,47.51 v2(207.8,48.01) ; U3#5.21 208.41,54.01 206.6,52.2 206.6,50.78 206.17,50.35 v2(206.17,49.64) ; U8#6.11 179.07,38.76 179.34,39.03 179.34,41.51 178.97,41.87 178.97,46.98 178.45,47.51 171.3,47.51 v2(170.8,48.01) ; U3#6.21 171.41,54.01 169.6,52.2 169.6,50.78 169.17,50.35 v2(169.17,49.64) ; U8#7.11 253.07,38.76 253.34,39.03 253.34,41.51 252.97,41.87 252.97,46.98 252.45,47.51 245.3,47.51 v2(244.8,48.01) ; U8#8.11 290.07,38.76 290.34,39.03 290.34,41.51 289.97,41.87 289.97,46.98 289.45,47.51 282.3,47.51 v2(281.8,48.01) ; U3#7.21 282.41,54.01 280.6,52.2 280.6,50.78 280.17,50.35 v2(280.17,49.64) ; U3#8.21 245.41,54.01 243.6,52.2 243.6,50.78 243.17,50.35 v2(243.17,49.64) ; U8#11.11 31.07,104.76 31.34,105.03 31.34,107.51 30.97,107.87 30.97,112.98 30.45,113.51 23.3,113.51 v2(22.8,114.01) ; U3#9.21 23.41,120.01 21.6,118.2 21.6,116.78 21.17,116.35 v2(21.17,115.64) ; U8#10.11 142.07,104.76 142.34,105.03 142.34,107.51 141.97,107.87 141.97,112.98 141.45,113.51 134.3,113.51 v2(133.8,114.01) ; U3#10.21 134.41,120.01 132.6,118.2 132.6,116.78 132.17,116.35 v2(132.17,115.64) ; U8#13.11 105.07,104.76 105.34,105.03 105.34,107.51 104.97,107.87 104.97,112.98 104.45,113.51 97.3,113.51 v2(96.8,114.01) ; U3#11.21 97.41,120.01 95.6,118.2 95.6,116.78 95.17,116.35 v2(95.17,115.64) ; U8#9.11 68.07,104.76 68.34,105.03 68.34,107.51 67.97,107.87 67.97,112.98 67.45,113.51 60.3,113.51 v2(59.8,114.01) ; U3#12.21 60.41,120.01 58.6,118.2 58.6,116.78 58.17,116.35 v2(58.17,115.64) ; U8#12.11 179.07,104.76 179.34,105.03 179.34,107.51 178.97,107.87 178.97,112.98 178.45,113.51 171.3,113.51 v2(170.8,114.01) ; U8#14.11 216.07,104.76 216.34,105.03 216.34,107.51 215.97,107.87 215.97,112.98 215.45,113.51 208.3,113.51 v2(207.8,114.01) ; U3#13.21 208.41,120.01 206.6,118.2 206.6,116.78 206.17,116.35 v2(206.17,115.64) ; U3#14.21 171.41,120.01 169.6,118.2 169.6,116.78 169.17,116.35 v2(169.17,115.64) ; U8#16.11 290.07,104.76 290.34,105.03 290.34,107.51 289.97,107.87 289.97,112.98 289.45,113.51 282.3,113.51 v2(281.8,114.01) ; U3#15.21 282.41,120.01 280.6,118.2 280.6,116.78 280.17,116.35 v2(280.17,115.64) ; U8#15.11 253.07,104.76 253.34,105.03 253.34,107.51 252.97,107.87 252.97,112.98 252.45,113.51 245.3,113.51 v2(244.8,114.01) ; U3#16.21 245.41,120.01 243.6,118.2 243.6,116.78 243.17,116.35 v2(243.17,115.64) ; U8#25.11 31.07,236.76 31.34,237.03 31.34,239.51 30.97,239.87 30.97,244.98 30.45,245.51 23.3,245.51 v2(22.8,246.01) ; U3#23.21 23.41,252.01 21.6,250.2 21.6,248.78 21.17,248.35 v2(21.17,247.64) ; U8#21.11 68.07,236.76 68.34,237.03 68.34,239.51 67.97,239.87 67.97,244.98 67.45,245.51 60.3,245.51 v2(59.8,246.01) ; U3#28.21 60.41,252.01 58.6,250.2 58.6,248.78 58.17,248.35 v2(58.17,247.64) ; U8#29.11 105.07,236.76 105.34,237.03 105.34,239.51 104.97,239.87 104.97,244.98 104.45,245.51 97.3,245.51 v2(96.8,246.01) ; U3#27.21 97.41,252.01 95.6,250.2 95.6,248.78 95.17,248.35 v2(95.17,247.64) ; U8#24.11 142.07,236.76 142.34,237.03 142.34,239.51 141.97,239.87 141.97,244.98 141.45,245.51 134.3,245.51 v2(133.8,246.01) ; U3#26.21 134.41,252.01 132.6,250.2 132.6,248.78 132.17,248.35 v2(132.17,247.64) ; v2(206.17,247.64) 206.17,248.35 206.6,248.78 206.6,250.2 208.41,252.01 U3#29.21 ; v2(207.8,246.01) 208.3,245.51 215.45,245.51 215.97,244.98 215.97,239.87 216.34,239.51 216.34,237.03 216.07,236.76 U8#30.11 ; U8#28.11 179.07,236.76 179.34,237.03 179.34,239.51 178.97,239.87 178.97,244.98 178.45,245.51 171.3,245.51 v2(170.8,246.01) ; U8#19.11 31.07,170.76 31.34,171.03 31.34,173.51 30.97,173.87 30.97,178.98 30.45,179.51 23.3,179.51 v2(22.8,180.01) ; U3#17.21 23.41,186.01 21.6,184.2 21.6,182.78 21.17,182.35 v2(21.17,181.64) ; U8#18.11 142.07,170.76 142.34,171.03 142.34,173.51 141.97,173.87 141.97,178.98 141.45,179.51 134.3,179.51 v2(133.8,180.01) ; U3#18.21 134.41,186.01 132.6,184.2 132.6,182.78 132.17,182.35 v2(132.17,181.64) ; U8#22.11 105.07,170.76 105.34,171.03 105.34,173.51 104.97,173.87 104.97,178.98 104.45,179.51 97.3,179.51 v2(96.8,180.01) ; U3#19.21 97.41,186.01 95.6,184.2 95.6,182.78 95.17,182.35 v2(95.17,181.64) ; U8#17.11 68.07,170.76 68.34,171.03 68.34,173.51 67.97,173.87 67.97,178.98 67.45,179.51 60.3,179.51 v2(59.8,180.01) ; U3#20.21 60.41,186.01 58.6,184.2 58.6,182.78 58.17,182.35 v2(58.17,181.64) ; U8#20.11 179.07,170.76 179.34,171.03 179.34,173.51 178.97,173.87 178.97,178.98 178.45,179.51 171.3,179.51 v2(170.8,180.01) ; U8#23.11 216.07,170.76 216.34,171.03 216.34,173.51 215.97,173.87 215.97,178.98 215.45,179.51 208.3,179.51 v2(207.8,180.01) ; U3#21.21 208.41,186.01 206.6,184.2 206.6,182.78 206.17,182.35 v2(206.17,181.64) ; U3#22.21 171.41,186.01 169.6,184.2 169.6,182.78 169.17,182.35 v2(169.17,181.64) ; U8#27.11 290.07,170.76 290.34,171.03 290.34,173.51 289.97,173.87 289.97,178.98 289.45,179.51 282.3,179.51 v2(281.8,180.01) ; U3#24.21 282.41,186.01 280.6,184.2 280.6,182.78 280.17,182.35 v2(280.17,181.64) ; U8#26.11 253.07,170.76 253.34,171.03 253.34,173.51 252.97,173.87 252.97,178.98 252.45,179.51 245.3,179.51 v2(244.8,180.01) ; U3#25.21 245.41,186.01 243.6,184.2 243.6,182.78 243.17,182.35 v2(243.17,181.64) ; U3#30.21 171.41,252.01 169.6,250.2 169.6,248.78 169.17,248.35 v2(169.17,247.64) ; U8#31.11 253.07,236.76 253.34,237.03 253.34,239.51 252.97,239.87 252.97,244.98 252.45,245.51 245.3,245.51 v2(244.8,246.01) ; U8#32.11 290.07,236.76 290.34,237.03 290.34,239.51 289.97,239.87 289.97,244.98 289.45,245.51 282.3,245.51 v2(281.8,246.01) ; U3#31.21 282.41,252.01 280.6,250.2 280.6,248.78 280.17,248.35 v2(280.17,247.64) ; U3#32.21 245.41,252.01 243.6,250.2 243.6,248.78 243.17,248.35 v2(243.17,247.64) ; U3.21 23.41,54.01 21.6,52.2 21.6,50.78 21.17,50.35 v2(21.17,49.64) ; v2(22.8,48.01) 23.3,47.51 30.45,47.51 30.97,46.98 30.97,41.87 31.34,41.51 31.34,39.03 31.07,38.76 U8.11